# Altium PCB CRD25DA12N-FMC V2 (09-2024).PcbDoc (part 2 of 6) (continued)
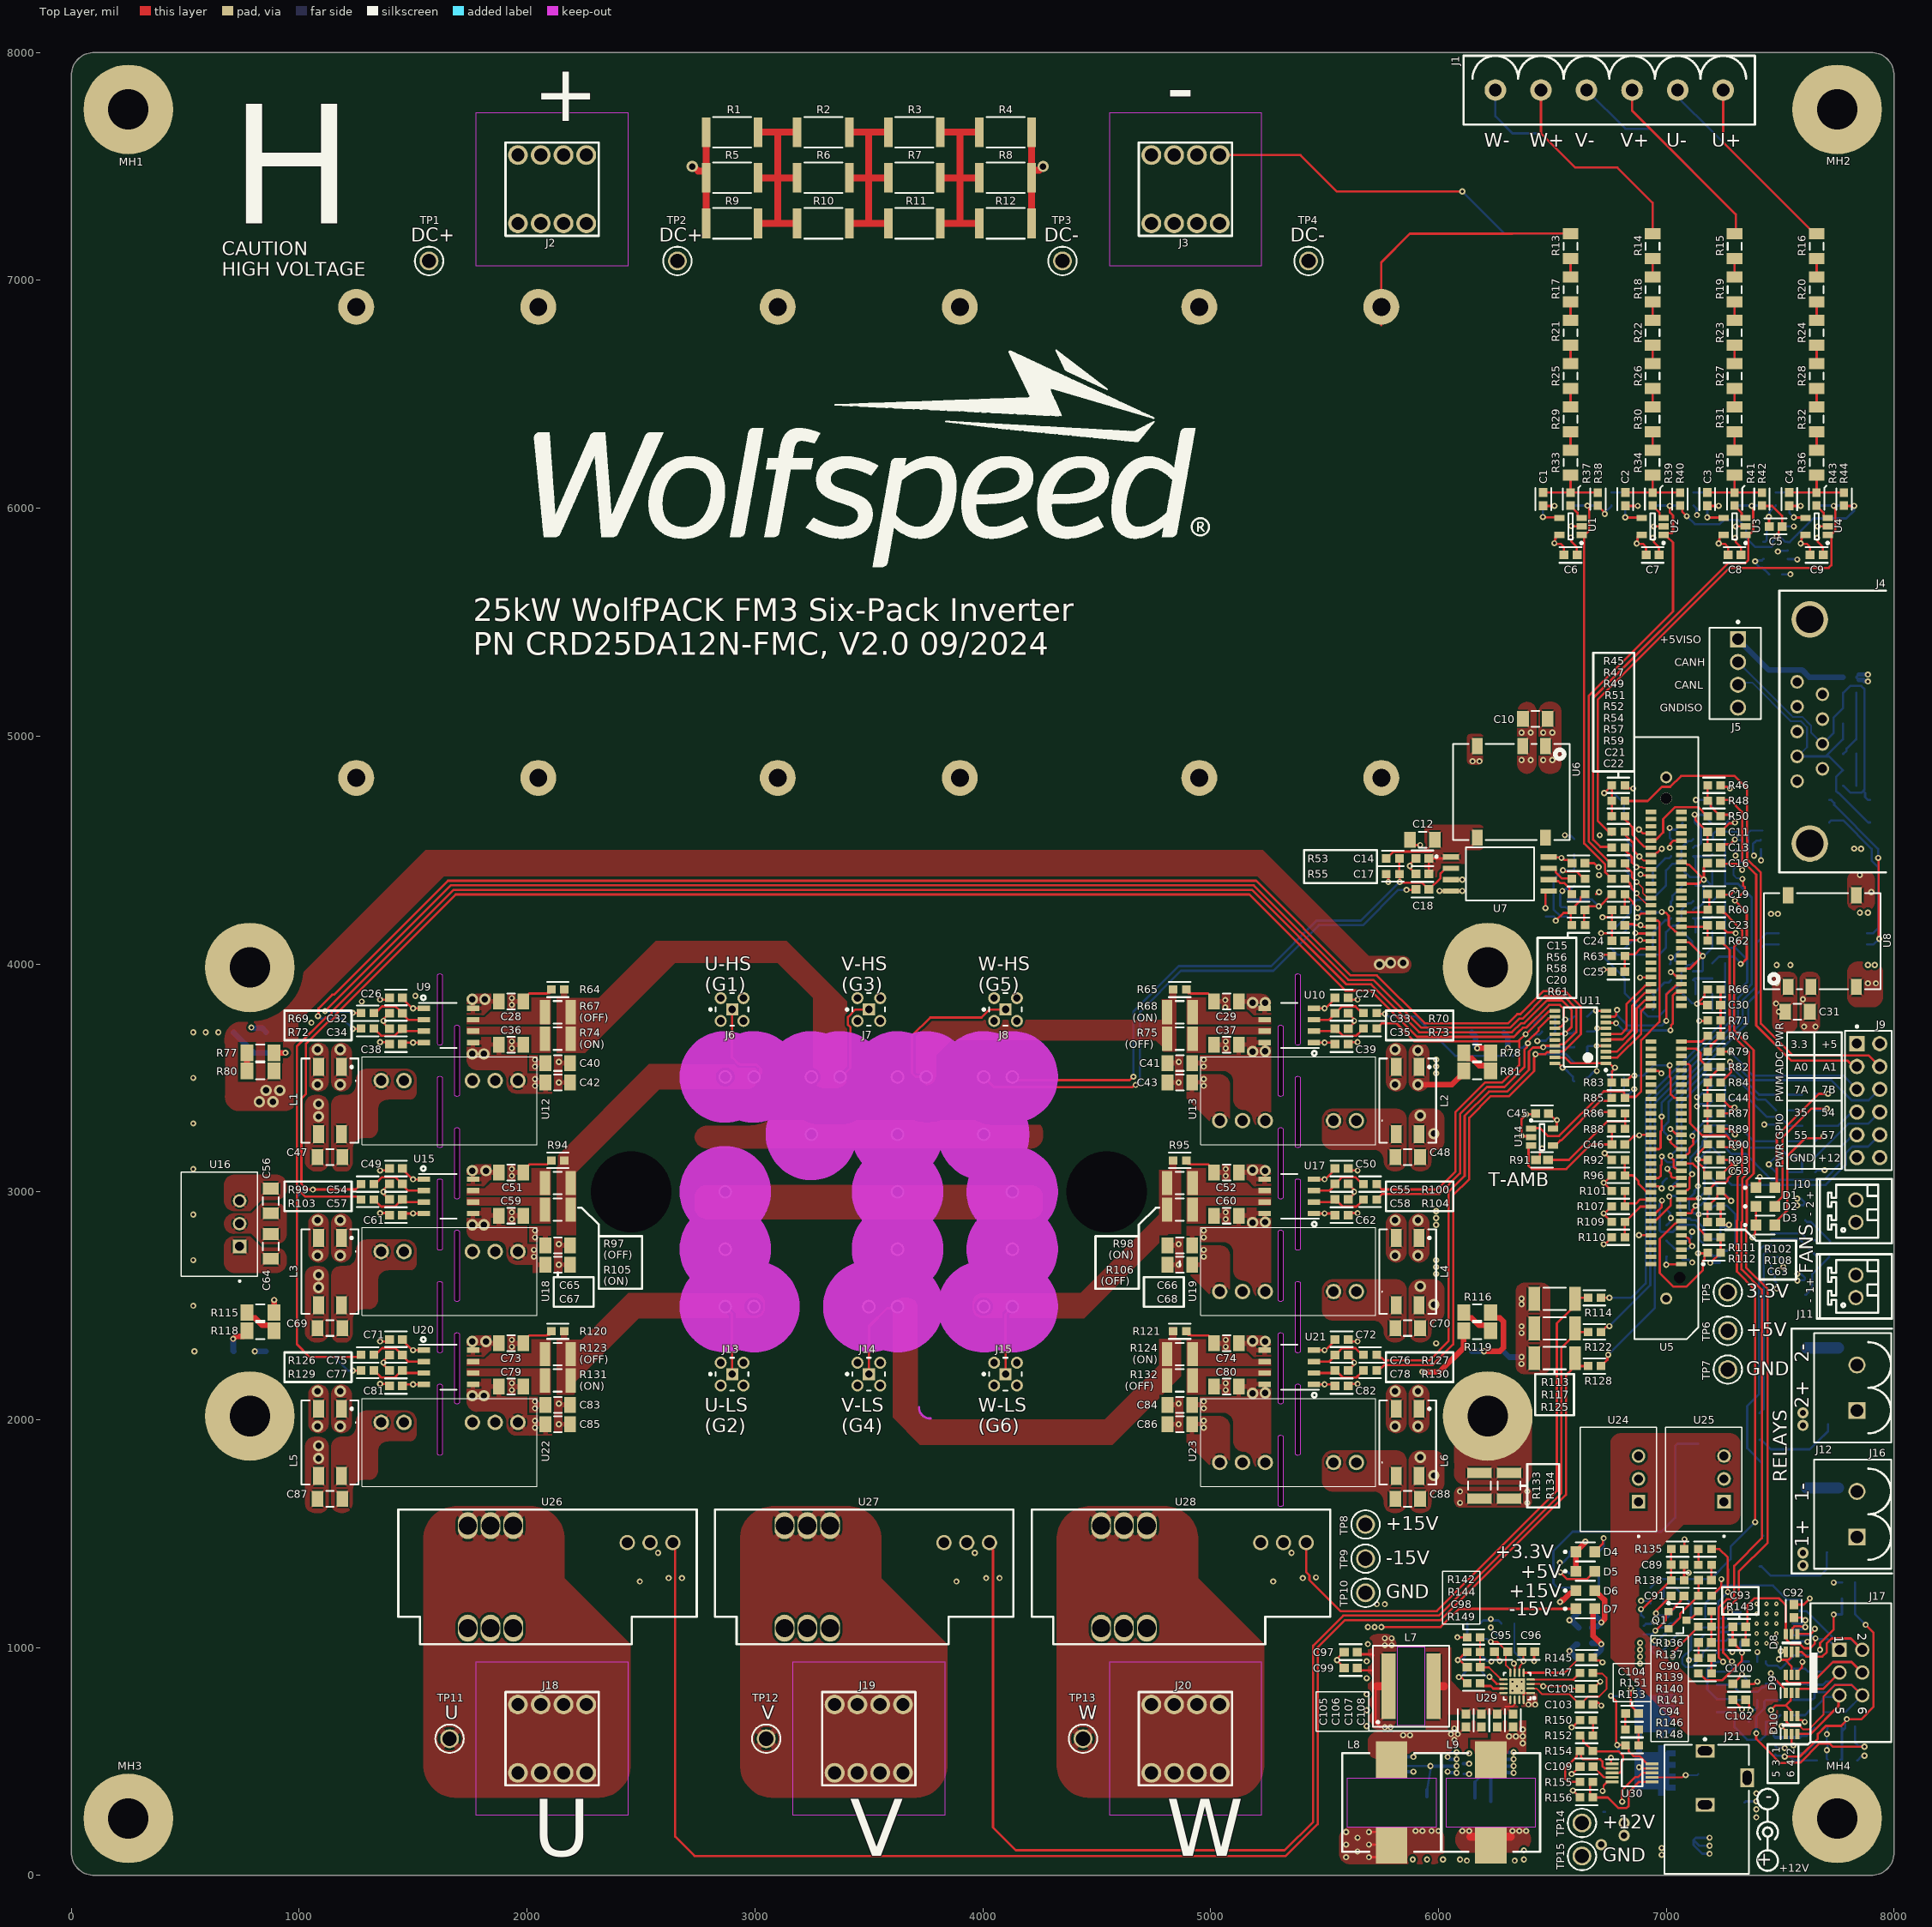
[diagram p0: Top Layer view]
## Part data (continued)
C103 C188 C191: "CAP CER 1UF 35V X7R 0603", Capacitance=1μF, Case Code (Imperial)=0603, Case Code (Metric)=1608, Dielectric=X7R, Manufacturer=TDK, Max Operating Temperature=125°C, Min Operating Temperature=-55°C, Package Quantity=4000, Ratings=AEC-Q200, Supplier Part Number 1=68AH9307, Tolerance=10%, Voltage Rating=35V, Case/Package=0603, Category="Ceramic Capacitors", ComponentLink1Description=https://4donline.ihs.com/images/VipMasterIC/IC/TDKC/TDKC-S-A0003616427/TDKC-S-A0003616427-1.pdf?hkey=52A5661711E402568146F3353EA87419&src-supplier=Farnell, ComponentLink1URL=https://4donline.ihs.com/images/VipMasterIC/IC/TDKC/TDKC-S-A0003616427/TDKC-S-A0003616427-1.pdf?hkey=52A5661711E402568146F3353EA87419&src-supplier=Farnell, ComponentLink2Description=https://datasheet.octopart.com/CGA3E1X7R1V105K080AC-TDK-datasheet-136412745.pdf?src-supplier=Element14, ComponentLink2URL=https://datasheet.octopart.com/CGA3E1X7R1V105K080AC-TDK-datasheet-136412745.pdf?src-supplier=Element14, ComponentLink3Description=https://datasheet.octopart.com/CGA3E1X7R1V105K080AC-TDK-datasheet-43366117.pdf?src-supplier=Future+Electronics, ComponentLink3URL=https://datasheet.octopart.com/CGA3E1X7R1V105K080AC-TDK-datasheet-43366117.pdf?src-supplier=Future+Electronics, ComponentLink4Description=https://product.tdk.com/info/en/catalog/datasheets/mlcc_automotive_general_en.pdf?src-supplier=Digikey, ComponentLink4URL=https://product.tdk.com/info/en/catalog/datasheets/mlcc_automotive_general_en.pdf?src-supplier=Digikey, ComponentLink5Description=https://4donline.ihs.com/images/VipMasterIC/IC/TDKC/TDKC-S-A0003616427/TDKC-S-A0003616427-1.pdf?hkey=52A5661711E402568146F3353EA87419&src-supplier=Newark, ComponentLink5URL=https://4donline.ihs.com/images/VipMasterIC/IC/TDKC/TDKC-S-A0003616427/TDKC-S-A0003616427-1.pdf?hkey=52A5661711E402568146F3353EA87419&src-supplier=Newark, ComponentLink6Description=http://product.tdk.com/capacitor/mlcc/detailed_information.php?lang=en&ref=jp&part_no=CGA3E1X7R1V105K080AC&src-supplier=Mouser, ComponentLink6URL=http://product.tdk.com/capacitor/mlcc/detailed_information.php?lang=en&ref=jp&part_no=CGA3E1X7R1V105K080AC&src-supplier=Mouser, ComponentLink7Description=http://product.tdk.com/capacitor/mlcc/class/print_detail_pdf.php?lang=en&part_no=CGA3E1X7R1V105K080AC&src-supplier=Avnet, ComponentLink7URL=http://product.tdk.com/capacitor/mlcc/class/print_detail_pdf.php?lang=en&part_no=CGA3E1X7R1V105K080AC&src-supplier=Avnet, Height=0.8mm, Length=1.6mm, Manufacturer Part Number=CGA3E1X7R1V105K080AC, Material=4241ConductorMaterial, Mount="Surface Mount", Package=0603, Packaging="Tape and Reel", Pricing 1="4000=0.042, 8000=0.04, 24000=0.039 (USD)", RoHS=Yes, RoHS Compliant=Yes, Series=CGA, Stock 1=4000, Supplier 1=Avnet, Termination=SMD/SMT, Voltage Rating (DC)=35V, Weight=7.1E-05oz, Width=0.8mm
C105 C106 C107 C108 C175 C178 C179 C186 C187 C192 C193 C195 C196 C197 C198 C199 C200 C201 C202: "CAP CER 10UF 35V X5R 0603", Capacitance=10μF, Case Code (Imperial)=0603, Case Code (Metric)=1608, Dielectric=X5R, Manufacturer=MURATA, Max Operating Temperature=85°C, Min Operating Temperature=-55°C, Supplier Part Number 1=81-GRM188R6YA106MA3D, Tolerance=20%, Voltage Rating=35V, Case/Package=0603, Category="Ceramic Capacitors", ComponentLink1Description=https://datasheet.octopart.com/GRM188R6YA106MA73D-Murata-datasheet-149523261.pdf?src-supplier=Newark, ComponentLink1URL=https://datasheet.octopart.com/GRM188R6YA106MA73D-Murata-datasheet-149523261.pdf?src-supplier=Newark, ComponentLink2Description=http://search.murata.co.jp/Ceramy/image/img/A01X/G101/ENG/GRM188R6YA106MA73-01.pdf?src-supplier=Future+Electronics, ComponentLink2URL=http://search.murata.co.jp/Ceramy/image/img/A01X/G101/ENG/GRM188R6YA106MA73-01.pdf?src-supplier=Future+Electronics, ComponentLink3Description=http://search.murata.co.jp/Ceramy/image/img/A01X/G101/ENG/GRM188R6YA106MA73-01.pdf?src-supplier=Digikey, ComponentLink3URL=http://search.murata.co.jp/Ceramy/image/img/A01X/G101/ENG/GRM188R6YA106MA73-01.pdf?src-supplier=Digikey, ComponentLink4Description=https://www.murata.com/~/media/webrenewal/support/library/catalog/products/capacitor/mlcc/c02e.ashx?la=en-us&src-supplier=Digikey, ComponentLink4URL=https://www.murata.com/~/media/webrenewal/support/library/catalog/products/capacitor/mlcc/c02e.ashx?la=en-us&src-supplier=Digikey, ComponentLink5Description=https://datasheet.octopart.com/GRM188R6YA106MA73D-Murata-datasheet-86813743.pdf?src-supplier=Future+Electronics, ComponentLink5URL=https://datasheet.octopart.com/GRM188R6YA106MA73D-Murata-datasheet-86813743.pdf?src-supplier=Future+Electronics, ComponentLink6Description=http://search.murata.co.jp/Ceramy/image/img/A01X/G101/ENG/GRM188R6YA106MA73-01.pdf?src-supplier=Mouser, ComponentLink6URL=http://search.murata.co.jp/Ceramy/image/img/A01X/G101/ENG/GRM188R6YA106MA73-01.pdf?src-supplier=Mouser, ComponentLink7Description=https://datasheet.octopart.com/GRM188R6YA106MA73D-Murata-datasheet-165579666.pdf?src-supplier=TME, ComponentLink7URL=https://datasheet.octopart.com/GRM188R6YA106MA73D-Murata-datasheet-165579666.pdf?src-supplier=TME, ComponentLink8Description=http://search.murata.co.jp/Ceramy/image/img/A01X/G101/ENG/GRM188R6YA106MA73-01.pdf?src-supplier=TTI, ComponentLink8URL=http://search.murata.co.jp/Ceramy/image/img/A01X/G101/ENG/GRM188R6YA106MA73-01.pdf?src-supplier=TTI, Height=1mm, Length=0.063inch, Manufacturer Part Number=GRM188R6YA106MA73D, Material=4241ConductorMaterial, Mount="Surface Mount", Package=0603, Packaging="Cut Tape", Pricing 1="1=0.31, 10=0.165, 50=0.165, 100=0.099, 1000=0.076, 4000=0.067, 8000=0.06, 10000=0.06, 24000=0.058, 100000=0.049 (USD)", RoHS=Yes, RoHS Compliant=Yes, Series=GRM, Stock 1=250689, Supplier 1=Mouser, Thickness=0.039inch, Voltage Rating (DC)=35V, Width=0.031inch
C110 C111 C112: "CAP FILM 65UF 5% 1.1KVDC RAD", Capacitance=65µF, Manufacturer=KEMET, Package=RADIAL, Supplier Part Number 1=399-C4AQQEW5650A3BJ-ND, Voltage=1.1kV, Category="Film Capacitors", Manufacturer Part Number=C4AQQEW5650A3BJ, Pricing 1="1=19.26000, 10=18.24800, 50=15.71360, 100=14.69980, 500=13.17910 (USD)", RoHS=Yes, RoHS Compliant=No, Stock 1=1080, Supplier 1=Digi-Key
C125 C127 C129 C134: library part CMP-06035-043171-1, "CAP CER 0.27UF 16V X7R 0603", Capacitance=0.27μF, Dielectric=X7R, Manufacturer=MURATA, Package=0603, Tolerance=10%, Voltage Rating (DC)=16V, Manufacturer Part Number=GCM188R71C274KA37D
C158 C159 C160 C162 C163 C164: library part CMP-13271-001123-1, "CAP CER 4.7UF 50V X7R 1206", Capacitance=4.7μF, Case Code (Imperial)=1206, Case Code (Metric)=3216, Dielectric=X7R, Manufacturer=SAMSUNG, Max Operating Temperature=125°C, Min Operating Temperature=-55°C, Package Quantity=1, Tolerance=10%, Voltage Rating=50V, Depth=1.6mm, Height=1.6mm, Length=3.2mm, Manufacturer Part Number=CL31B475KBHNFNE, Mount="Surface Mount", Package=1206, Packaging="Tape and Reel", Radiation Hardening=No, Thickness=0.071inch, Width=0.063inch
C168: "CAP CER 0.047UF 50V X7R 0603", Capacitance=47nF, Case Code (Imperial)=0603, Case Code (Metric)=1608, Dielectric=X7R, Manufacturer=TDK, Max Operating Temperature=125°C, Min Operating Temperature=-55°C, Package Quantity=1, Ratings=AEC-Q200, Supplier Part Number 1=80X3178, Tolerance=10%, Voltage Rating=50V, Case/Package=0603, Category="Ceramic Capacitors", ComponentLink1Description=https://datasheet.ciiva.com/24217/cga3e2x7r1h473k080aa-266154-24217548.pdf?src-supplier=Mouser, ComponentLink1URL=https://datasheet.ciiva.com/24217/cga3e2x7r1h473k080aa-266154-24217548.pdf?src-supplier=Mouser, Depth=0.8mm, Height=0.8mm, Lead Free="Lead Free", Length=1.6mm, Manufacturer Part Number=CGA3E2X7R1H473K080AA, Material=4241ConductorMaterial, Mount="Surface Mount", Package=0603, Packaging="Tape and Reel", Pricing 1="1=0.098, 25=0.063, 50=0.045, 100=0.027 (USD)", Reach SVHC Compliant=No, RoHS=Yes, RoHS Compliant=Yes, Series=CGA, Stock 1=19753, Supplier 1=Avnet, Termination=SMD/SMT, Thickness=0.035inch, Voltage Rating (DC)=50V, Weight=7.1E-05oz, Width=0.031inch
C171: "CAP CER 0.22UF 25V X7R 0603", Capacitance=220nF, Case Code (Imperial)=0603, Case Code (Metric)=1608, Dielectric=X7R, Manufacturer=MURATA, Max Operating Temperature=125°C, Min Operating Temperature=-55°C, Package Quantity=1, Ratings=AEC-Q200, Supplier Part Number 1=81-GCM188R71E224K55D, Tolerance=10%, Voltage=25V, Case/Package=0603, Category="Ceramic Capacitors", ComponentLink1Description=https://datasheet.ciiva.com/18183/getdatasheetpartid-223900-18183612.pdf?src-supplier=Verical, ComponentLink1URL=https://datasheet.ciiva.com/18183/getdatasheetpartid-223900-18183612.pdf?src-supplier=Verical, ComponentLink2Description=https://datasheet.ciiva.com/16202/product-16202362.pdf?src-supplier=Future+Electronics, ComponentLink2URL=https://datasheet.ciiva.com/16202/product-16202362.pdf?src-supplier=Future+Electronics, ComponentLink3Description=https://datasheet.ciiva.com/134/product-134757.pdf?src-supplier=Digikey, ComponentLink3URL=https://datasheet.ciiva.com/134/product-134757.pdf?src-supplier=Digikey, Construction=Flat, Depth=0.8mm, Height=0.8mm, Lead Free="Lead Free", Length=1.6mm, Manufacturer Part Number=GCM188R71E224KA55D, Material=4241ConductorMaterial, Mount="Surface Mount", Package=0603, Packaging="Tape and Reel", Pricing 1="1=0.1, 10=0.052, 50=0.052, 100=0.027, 1000=0.017, 4000=0.012, 8000=0.01, 10000=0.01, 100000=0.009 (USD)", Radiation Hardening=No, RoHS=Yes, RoHS Compliant=Yes, Series=GCM, Stock 1=1572028, Supplier 1=Mouser, Termination=SMD/SMT, Thickness=0.035inch, Voltage Rating=25V, Voltage Rating (DC)=25V, Width=0.031inch
C172 C189 C190: "CAP CER 0.1UF 50V X7R 0603", Capacitance=100nF, Case Code (Imperial)=0603, Case Code (Metric)=1608, Dielectric=X7R, Manufacturer=TDK, Max Operating Temperature=125°C, Min Operating Temperature=-55°C, Package Quantity=1, Ratings=AEC-Q200, Tolerance=10%, Voltage=50V, Case/Package=0603, Category="Ceramic Capacitors", ComponentLink1Description=https://datasheet.ciiva.com/24216/cga3e2x7r1h104k080aa-266291-24216208.pdf?src-supplier=Mouser, ComponentLink1URL=https://datasheet.ciiva.com/24216/cga3e2x7r1h104k080aa-266291-24216208.pdf?src-supplier=Mouser, ComponentLink2Description=https://datasheet.ciiva.com/15192/getdatasheetpartid-715867-15192412.pdf?src-supplier=Verical, ComponentLink2URL=https://datasheet.ciiva.com/15192/getdatasheetpartid-715867-15192412.pdf?src-supplier=Verical, ComponentLink3Description=https://datasheet.ciiva.com/23803/1936565-23803084.pdf?src-supplier=Newark, ComponentLink3URL=https://datasheet.ciiva.com/23803/1936565-23803084.pdf?src-supplier=Newark, ComponentLink4Description=https://datasheet.ciiva.com/22725/1735392-22725642.pdf?src-supplier=Element14, ComponentLink4URL=https://datasheet.ciiva.com/22725/1735392-22725642.pdf?src-supplier=Element14, ComponentLink5Description=https://datasheet.ciiva.com/46385/1735392-46385708.pdf?src-supplier=Element14, ComponentLink5URL=https://datasheet.ciiva.com/46385/1735392-46385708.pdf?src-supplier=Element14, ComponentLink6Description=https://datasheet.ciiva.com/16500/mlccspec-automotive-general-midvoltage-en-16500693.pdf?src-supplier=Future+Electronics, ComponentLink6URL=https://datasheet.ciiva.com/16500/mlccspec-automotive-general-midvoltage-en-16500693.pdf?src-supplier=Future+Electronics, Depth=0.8mm, Height=0.8mm, Lead Free=5697LeadFree, Length=1.6mm, Manufacturer Part Number=CGA3E2X7R1H104K080AA, Material=4241ConductorMaterial, Mount="Surface Mount", Package=0603, Packaging="Tape and Reel", Pricing 1="4000=0.01068, 8000=0.01044, 16000=0.0102, 24000=0.00996, 32000=0.00972 (USD)", Radiation Hardening=No, Reach SVHC Compliant=No, RoHS=Yes, RoHS Compliant=Yes, Series=CGA, Stock 1=168000, Supplier 1=Avnet, Supplier Part Number 1=CGA3E2X7R1H104K080AA, Termination=SMD/SMT, Thickness=0.035inch, Voltage Rating=50V, Voltage Rating (DC)=50V, Weight=7.1E-05oz, Width=0.031inch
C173 C176: "CAP CER 47PF 100V C0G/NP0 0603", Capacitance=47pF, Case Code (Imperial)=0603, Case Code (Metric)=1608, Dielectric=C0G, Dielectric Material=Ceramic, Manufacturer=KEMET, Max Operating Temperature=125°C, Min Operating Temperature=-55°C, Package Quantity=4000, Supplier Part Number 1=8015369, Temperature Coefficient=30ppm/°C, Tolerance=5%, Voltage=100V, Category="Ceramic Capacitors", ComponentLink1Description=https://datasheet.ciiva.com/28668/1789732-28668693.pdf?src-supplier=Element14, ComponentLink1URL=https://datasheet.ciiva.com/28668/1789732-28668693.pdf?src-supplier=Element14, Construction=Flat, Depth=0.8mm, Dissipation Factor=0.1%, Height=0.8mm, Lead Free="Lead Free", Lead Pitch=0.7mm, Length=1.6mm, Manufacturer Part Number=C0603C470J1GACTU, Mount="Surface Mount,PCB", Number of Pins=2, Package=0603, Packaging="Tape and Reel", Pricing 1="100=0.04300, 1000=0.03200, 2000=0.02200, 4000=0.02100, 8000=0.02000 (USD)", Radiation Hardening=No, Reach SVHC Compliant=Yes, RoHS=Yes, RoHS Compliant=Yes, Series=C, Stock 1=1, Supplier 1=Rs, Termination=SMD/SMT, Thickness=0.034inch, Voltage Rating=100V, Voltage Rating (DC)=100V, Width=0.031inch
C185 C194: "CAP CER 680PF 50V C0G/NP0 0603", Capacitance=680pF, Case Code (Imperial)=0603, Case Code (Metric)=1608, Dielectric=C0G, Dielectric Material=Ceramic, Manufacturer=KEMET, Max Operating Temperature=125°C, Min Operating Temperature=-55°C, Package Quantity=4000, Supplier Part Number 1=80-C0603C681J5G, Temperature Coefficient=30ppm/°C, Tolerance=5%, Voltage=50V, Case/Package=0603, Category="Ceramic Capacitors", ComponentLink1Description=https://datasheet.ciiva.com/144/docfinderpartnumber-c0603c681j5gactu-144808.pdf?src-supplier=Digikey, ComponentLink1URL=https://datasheet.ciiva.com/144/docfinderpartnumber-c0603c681j5gactu-144808.pdf?src-supplier=Digikey, ComponentLink2Description=https://datasheet.ciiva.com/7823/40889-7823834.pdf?src-supplier=Element14, ComponentLink2URL=https://datasheet.ciiva.com/7823/40889-7823834.pdf?src-supplier=Element14, ComponentLink3Description=https://datasheet.ciiva.com/7823/40889-7823833.pdf?src-supplier=Element14, ComponentLink3URL=https://datasheet.ciiva.com/7823/40889-7823833.pdf?src-supplier=Element14, ComponentLink4Description=https://datasheet.ciiva.com/28535/1372242-28535863.pdf?src-supplier=Element14, ComponentLink4URL=https://datasheet.ciiva.com/28535/1372242-28535863.pdf?src-supplier=Element14, ComponentLink5Description=https://datasheet.ciiva.com/14600/70095383-14600026.pdf?src-supplier=Allied+Electronics, ComponentLink5URL=https://datasheet.ciiva.com/14600/70095383-14600026.pdf?src-supplier=Allied+Electronics, Construction=Flat, Depth=0.8mm, Dissipation Factor=0.1%, Height=0.8mm, Lead Free=5697LeadFree, Lead Pitch=0.7mm, Length=1.6mm, Manufacturer Part Number=C0603C681J5GACTU, Material=4241ConductorMaterial, Mount="Surface Mount,PCB", Number of Pins=2, Package=0603, Packaging="Tape and Reel", Pricing 1="1=0.1, 10=0.042, 50=0.042, 100=0.025, 1000=0.02, 4000=0.015, 8000=0.013, 10000=0.013, 100000=0.009 (USD)", Radiation Hardening=No, Reach SVHC Compliant=No, RoHS=Yes, RoHS Compliant=Yes, Series=C, Stock 1=42665, Supplier 1=Mouser, Termination=SMD/SMT, Thickness=0.034inch, Voltage Rating=50V, Voltage Rating (AC)=50V, Voltage Rating (DC)=50V, Width=0.8mm
D1: "LED RED DIFFUSED 0805 SMD", Case Code (Imperial)=0805, Case Code (Metric)=2012, Color=RED, Forward Current=20mA, Forward Voltage=2V, Illumination Color=Red, Manufacturer="VISUAL COMMUNICATIONS", Max Operating Temperature=85°C, Min Operating Temperature=-40°C, Package Quantity=1, Power Rating=100mW, Reverse Voltage=5V, Supplier Part Number 1=45X6246, Category=LEDs, ComponentLink1Description=http://www.mouser.com/ds/2/423/CMD1721ver1-1064576.pdf?src-supplier=Mouser, ComponentLink1URL=http://www.mouser.com/ds/2/423/CMD1721ver1-1064576.pdf?src-supplier=Mouser, ComponentLink2Description=https://www.alliedelec.com/m/d/ea8f758becbd32522d2612194452bcae.pdf?src-supplier=Allied+Electronics, ComponentLink2URL=https://www.alliedelec.com/m/d/ea8f758becbd32522d2612194452bcae.pdf?src-supplier=Allied+Electronics, ComponentLink3Description=http://www.onlinecomponents.com/productFiles/mf-CM/2cmd17-21seriessmtleds0805packagesize.pdf?src-supplier=Onlinecomponents.com, ComponentLink3URL=http://www.onlinecomponents.com/productFiles/mf-CM/2cmd17-21seriessmtleds0805packagesize.pdf?src-supplier=Onlinecomponents.com, ComponentLink4Description=https://vcclite.com/wp-content/uploads/wpallimport/files/files/CMD1721Seriesver3.pdf?src-supplier=Digi-Key, ComponentLink4URL=https://vcclite.com/wp-content/uploads/wpallimport/files/files/CMD1721Seriesver3.pdf?src-supplier=Digi-Key, Height=1.1mm, Lead Free="Lead Free", Length=2mm, Lens Color=Red, Lens Style=Diffused,Tinted,Rectangular,Colored, Luminous Intensity=6mcd, Manufacturer Part Number=CMD17-21VRD/TR8, Mount="Surface Mount", Number of LEDs=1, Number of Pins=2, Package=0805, Packaging="Tape and Reel", Pricing 1="1=0.55000, 25=0.37500, 50=0.31600, 100=0.25700, 250=0.25600, 500=0.25400, 1000=0.21500 (USD)", Reverse Voltage (DC)=5V, RoHS=Yes, RoHS Compliant=Yes, Stock 1=1791, Supplier 1=Newark, Test Current=20mA, Viewing Angle=140°, Wavelength=640nm, Width=1.25mm
D2: "LED YELLOW CLEAR 0805 SMD", Case Code (Imperial)=0805, Case Code (Metric)=2012, Color=Yellow, Forward Current=30mA, Forward Voltage=2V, Lens Color=Colorless, Manufacturer=LITE-ON, Max Operating Temperature=85°C, Max Power Dissipation=75mW, Min Operating Temperature=-55°C, Package Quantity=1, Reverse Voltage=5V, Supplier Part Number 1=6920950, Test Current=20mA, Category=LEDs, ComponentLink1Description=https://datasheet.ciiva.com/19466/2075639-19466196.pdf?src-supplier=Jameco, ComponentLink1URL=https://datasheet.ciiva.com/19466/2075639-19466196.pdf?src-supplier=Jameco, ComponentLink2Description=https://datasheet.ciiva.com/12403/lite-on-ltst-c171kskt-190118-12403721.pdf?src-supplier=Mouser, ComponentLink2URL=https://datasheet.ciiva.com/12403/lite-on-ltst-c171kskt-190118-12403721.pdf?src-supplier=Mouser, ComponentLink3Description=https://datasheet.ciiva.com/16200/lite-on20ltst-c171kskt-16200102.pdf?src-supplier=Future+Electronics, ComponentLink3URL=https://datasheet.ciiva.com/16200/lite-on20ltst-c171kskt-16200102.pdf?src-supplier=Future+Electronics, ComponentLink4Description=https://datasheet.ciiva.com/15118/getdatasheetpartid-233685-15118145.pdf?src-supplier=Verical, ComponentLink4URL=https://datasheet.ciiva.com/15118/getdatasheetpartid-233685-15118145.pdf?src-supplier=Verical, ComponentLink5Description=https://datasheet.ciiva.com/11774/0900766b80dc029a-11774587.pdf?src-supplier=Rs, ComponentLink5URL=https://datasheet.ciiva.com/11774/0900766b80dc029a-11774587.pdf?src-supplier=Rs, ComponentLink6Description=https://datasheet.ciiva.com/2110/s-110-ltst-c171kskt-2110148.pdf?src-supplier=Digi-Key, ComponentLink6URL=https://datasheet.ciiva.com/2110/s-110-ltst-c171kskt-2110148.pdf?src-supplier=Digi-Key, ComponentLink7Description=https://datasheet.ciiva.com/2110/s-110-ltst-c171kskt-2110147.pdf?src-supplier=Digi-Key, ComponentLink7URL=https://datasheet.ciiva.com/2110/s-110-ltst-c171kskt-2110147.pdf?src-supplier=Digi-Key, ComponentLink8Description=https://datasheet.ciiva.com/2110/s-110-ltst-c171kskt-2110149.pdf?src-supplier=Digi-Key, ComponentLink8URL=https://datasheet.ciiva.com/2110/s-110-ltst-c171kskt-2110149.pdf?src-supplier=Digi-Key, Depth=1.25mm, Dominant Wavelength=587nm, Height=0.8mm, Illumination Color=Yellow, Lead Free="Lead Free", Length=2mm, Lens Style=Diffused,Colorless,Rectangular,Clear, Lens Transparency=Clear, Luminous Intensity=50mcd, Manufacturer Part Number=LTST-C171KSKT, Mount="Surface Mount", Number of Elements=1, Number of LEDs=1, Number of Pins=2, Package=0805, Packaging="Tape and Reel", Power Dissipation=75mW, Power Rating=75mW, Radiation Hardening=No, RoHS=Yes, RoHS Compliant=Yes, Series="CHIPLED 0805", Stock 1=850, Supplier 1=Rs, Viewing Angle=130°, Wavelength=588nm, Width=1.25mm
D3 D4 D5 D6 D7: library part CMP-22017-000007-1, "LED GREEN CLEAR CHIP SMD", Case Code (Imperial)=0805, Case Code (Metric)=2012, Color=GREEN, Forward Current=30mA, Forward Voltage=2.1V, Illumination Color=Green, Lens Color=Colorless, Manufacturer=LITE-ON, Max Operating Temperature=85°C, Min Operating Temperature=-55°C, Package Quantity=1, Power Dissipation=100mW, Reverse Voltage=5V, Test Current=10mA, Case/Package=0805, Depth=1.25mm, Dominant Wavelength=569nm, Height=0.8mm, Lead Free="Lead Free", Length=2mm, Lens Style=Diffused, Lens Transparency=Clear, Luminous Intensity=12mcd, Manufacturer Part Number=LTST-C171GKT, Mount="Surface Mount", Number of Elements=1, Number of LEDs=1, Number of Pins=2, Package=0805, Packaging="Tape and Reel", Power Rating=100mW, Radiation Hardening=No, Viewing Angle=130°, Wavelength=585nm, Width=1.25mm
D8 D9 D10: "DIODE ARRAY SCHOTTKY 40V SOT363", Manufacturer="MICRO COMMERCIAL", Manufacturer Print=MICRO, Manufacturer_Name="Micro Commercial Components (MCC)", Package=SOT-363, Class=DIO, Height=1.2mm, Manufacturer Part Number=BAS40DW-04-TP, Manufacturer_Part_Number=BAS40DW-04-TP
D11 D15: "LED PURPLE CLEAR 1206 SMD", Color=PURPLE, Manufacturer=Kingbright, Manufacturer Print=KINGBRIGHT, Package=1206, Supplier Part Number 1=604-APTR3216-VFX, Category=LEDs, Manufacturer Part Number=APTR3216-VFX, Pricing 1="1=0.84000, 10=0.55000, 50=0.55000, 100=0.36100, 1000=0.28500, 10000=0.25200 (USD)", RoHS=Yes, RoHS Compliant=Yes, Stock 1=19947, Supplier 1=Mouser
D12 D16: "LED PURPLE CLEAR 1206 SMD", Color=PURPLE, Manufacturer=KINGBRIGHT, Package=1206, Supplier Part Number 1=604-APTR3216-VFX, Category=LEDs, Manufacturer Part Number=APTR3216-VFX, Pricing 1="1=0.84000, 10=0.55000, 50=0.55000, 100=0.36100, 1000=0.28500, 10000=0.25200 (USD)", RoHS=Yes, RoHS Compliant=Yes, Stock 1=19947, Supplier 1=Mouser
D13 D14 D17 D18: "DIODE SCHOTTKY 60V 2A SOD123FL", Average Rectified Current=2A, Forward Voltage=700mV, Manufacturer=MICRO, Max Operating Temperature=125°C, Max Power Dissipation=1.68W, Max Repetitive Reverse Voltage (Vrrm)=60V, Max Reverse Current=500uA, Max Surge Current=50A, Min Operating Temperature=-65°C, Package=SOD-123F, Package Quantity=1, Supplier Part Number 1=SMD26PL-TPMSCT-ND, Category="Rectifier Diodes", ComponentLink1Description=https://datasheet.ciiva.com/4717/smd22pl-smd210plsod-123fl-27814-4717414.pdf?src-supplier=Mouser, ComponentLink1URL=https://datasheet.ciiva.com/4717/smd22pl-smd210plsod-123fl-27814-4717414.pdf?src-supplier=Mouser, ComponentLink2Description=https://datasheet.ciiva.com/17444/smd22pl-smd210plsod-123fl-17444944.pdf?src-supplier=Future+Electronics, ComponentLink2URL=https://datasheet.ciiva.com/17444/smd22pl-smd210plsod-123fl-17444944.pdf?src-supplier=Future+Electronics, ComponentLink3Description=https://datasheet.ciiva.com/917/smd22pl-smd210plsod-123fl-917242.pdf?src-supplier=Digi-Key, ComponentLink3URL=https://datasheet.ciiva.com/917/smd22pl-smd210plsod-123fl-917242.pdf?src-supplier=Digi-Key, ComponentLink4Description=https://datasheet.ciiva.com/917/smd22pl-smd210plsod-123fl-917243.pdf?src-supplier=Digi-Key, ComponentLink4URL=https://datasheet.ciiva.com/917/smd22pl-smd210plsod-123fl-917243.pdf?src-supplier=Digi-Key, ComponentLink5Description=https://datasheet.ciiva.com/917/smd22pl-smd210plsod-123fl-917244.pdf?src-supplier=Digi-Key, ComponentLink5URL=https://datasheet.ciiva.com/917/smd22pl-smd210plsod-123fl-917244.pdf?src-supplier=Digi-Key, Lead Free="Lead Free", Manufacturer Part Number=SMD26PL-TP, Max Reverse Voltage (DC)=60V, Mount="Surface Mount", Number of Pins=2, Packaging="Tape and Reel", Pricing 1="1=0.40000, 10=0.30200, 100=0.18790, 500=0.12854, 1000=0.09888 (USD)", RoHS=Yes, RoHS Compliant=Yes, Stock 1=317348, Supplier 1=Digi-Key
D19 D20: "DIODE SCHOTTKY 60V 10A CFP15B", Case/Package=TO-277, Manufacturer=NEXPERIA, Category=Uncategorized, Manufacturer Part Number=PMEG060V100EPE-QZ, Package=TO-277, Pricing 1="5000=0.30592, 10000=0.29765, 20000=0.28938, 30000=0.28111, 40000=0.27284, 50000=0.26458, 500000=0.25631 (USD)", RoHS=No, Stock 1=5000, Supplier 1=Avnet, Supplier Part Number 1=PMEG060V100EPE-QZ
HS1: library part "LA 6 150 12", "HEATSINK EXTRUSION 150MM", Manufacturer="FISCHER ELEKTRONIK", Natural Thermal Resistance=0.175°C/W, Package=N/A, Power Consumption=2.9W, Supplier Part Number 1=42M1958, Category=Uncategorized, ComponentLink1Description=https://datasheet.ciiva.com/14098/fmfischer-lufteraggregat-la6-en-14098709.pdf?src-supplier=Distrelec, ComponentLink1URL=https://datasheet.ciiva.com/14098/fmfischer-lufteraggregat-la6-en-14098709.pdf?src-supplier=Distrelec, ComponentLink2Description=https://datasheet.ciiva.com/1609/17634-1609751.pdf?src-supplier=Element14, ComponentLink2URL=https://datasheet.ciiva.com/1609/17634-1609751.pdf?src-supplier=Element14, Length=150mm, Manufacturer Part Number="LA6/150 12V", Material=Aluminium, Pricing 1="1=128.57000, 10=109.67000, 25=105.17000, 50=100.26000, 100=91.40000, 250=79.15000 (USD)", Reach SVHC Compliant=Yes, RoHS=Yes, Stock 1=135, Supplier 1=Newark, Weight=66g
J1: "TERM BLOCK HDR 6POS VERT 5.08MM", Color=Green,Grey, Current=12A, Flammability Rating="UL94 V-0", Housing Color=Green, Manufacturer="PHOENIX CONTACT", Package=N/A, Package Quantity=50, Supplier Part Number 1=1896240, Voltage=300V, Voltage Rating=250V, Approvals=UL,CSA,VDE,cULus,CB,EAC, Category="Terminal Blocks", ComponentLink1Description=https://datasheet.ciiva.com/16096/1755778-16096327.pdf?src-supplier=Onlinecomponents.com, ComponentLink1URL=https://datasheet.ciiva.com/16096/1755778-16096327.pdf?src-supplier=Onlinecomponents.com, ComponentLink2Description=https://datasheet.ciiva.com/15197/getdatasheetpartid-176346-15197318.pdf?src-supplier=Verical, ComponentLink2URL=https://datasheet.ciiva.com/15197/getdatasheetpartid-176346-15197318.pdf?src-supplier=Verical, ComponentLink3Description=https://datasheet.ciiva.com/796/1755778-796714.pdf?src-supplier=Digi-Key, ComponentLink3URL=https://datasheet.ciiva.com/796/1755778-796714.pdf?src-supplier=Digi-Key, ComponentLink4Description=https://datasheet.ciiva.com/29209/568561-da-01-en-grundgehaeuse-1755778-100-st-29209867.pdf?src-supplier=Conrad, ComponentLink4URL=https://datasheet.ciiva.com/29209/568561-da-01-en-grundgehaeuse-1755778-100-st-29209867.pdf?src-supplier=Conrad, ComponentLink5Description=https://datasheet.ciiva.com/18409/70054655-18409468.pdf?src-supplier=Allied+Electronics, ComponentLink5URL=https://datasheet.ciiva.com/18409/70054655-18409468.pdf?src-supplier=Allied+Electronics, Connector Type=Plug, Contact Material=Tin, Contact Plating=Tin, Current Rating=12A, Depth=8.6mm, Gender=Male, Height=15.9mm, Housing Material=Polybutylene, Lead Free="Lead Free", Length=32.48mm, Manufacturer Part Number=1755778, Manufacturer Print="PHOENIX CONTACT", Max Current Rating=12A, Mount="Through Hole", Number of Contacts=6, Number of Levels=1, Number of Poles=6, Number of Positions=6, Number of Positions Per Level=6, Number of Rows=1, Orientation=Straight, Packaging=Bulk, Pitch=5.08mm, RoHS=Yes, RoHS Compliant=Yes, Series=MSTBVA, Stock 1=400, Supplier 1=Rs, Termination=Solder, Voltage Rating (DC)=250V, Weight=5.467464oz, Width=32.48mm
J2 J3 J18 J19 J20: "TERM REDCUBE M4 8PIN PCB", Current Rating=80A, Manufacturer="WURTH ELEKTRONIK", Manufacturer Print=WURTH, Max Operating Temperature=135°C, Min Operating Temperature=-40°C, Package=N/A, Package Quantity=250, Supplier Part Number 1=1224952, Category=Terminals, ComponentLink1Description=https://datasheet.ciiva.com/8043/1736661-8043578.pdf?src-supplier=Element14, ComponentLink1URL=https://datasheet.ciiva.com/8043/1736661-8043578.pdf?src-supplier=Element14, ComponentLink2Description=https://datasheet.ciiva.com/13538/powerelements20with20220row20pin20plate-13538549.pdf?src-supplier=Mouser, ComponentLink2URL=https://datasheet.ciiva.com/13538/powerelements20with20220row20pin20plate-13538549.pdf?src-supplier=Mouser, ComponentLink3Description=https://datasheet.ciiva.com/23814/606286-23814304.pdf?src-supplier=Newark, ComponentLink3URL=https://datasheet.ciiva.com/23814/606286-23814304.pdf?src-supplier=Newark, ComponentLink4Description=https://datasheet.ciiva.com/847/bushes-847081.pdf?src-supplier=Digi-Key, ComponentLink4URL=https://datasheet.ciiva.com/847/bushes-847081.pdf?src-supplier=Digi-Key, Contact Material=Copper, Contact Plating=Tin, Height=10.5mm, Insulation=Non-Insulated, Length=9mm, Manufacturer Part Number=7460307, Mount="Through Hole", Number of Contacts=8, Number of Pins=8, Number of Rows=2, Packaging=Bulk, RoHS=Yes, RoHS Compliant=Yes, Series="REDCUBE WP-BUTR", Stock 1=1875, Supplier 1=Rs, Termination=Press-Fit, Thread Size=M4, Width=9mm
J4: "CONN D-SUB PLUG 9POS R/A SLDR", Color=Black, Current Rating=5A, Manufacturer=AMPHENOL, Max Operating Temperature=155°C, Max Supply Voltage (AC)=250V, Min Operating Temperature=-55°C, Package=N/A, Supplier Part Number 1=70145033, Category=Uncategorized, ComponentLink1Description=https://datasheet.ciiva.com/16443/l717sde09pa4ch4rc309-16443356.pdf?src-supplier=Future+Electronics, ComponentLink1URL=https://datasheet.ciiva.com/16443/l717sde09pa4ch4rc309-16443356.pdf?src-supplier=Future+Electronics, ComponentLink2Description=https://datasheet.ciiva.com/12662/l717sde09pa4ch4rc309-12662371.pdf?src-supplier=Mouser, ComponentLink2URL=https://datasheet.ciiva.com/12662/l717sde09pa4ch4rc309-12662371.pdf?src-supplier=Mouser, ComponentLink3Description=https://datasheet.ciiva.com/16914/70145027-16914009.pdf?src-supplier=Allied+Electronics, ComponentLink3URL=https://datasheet.ciiva.com/16914/70145027-16914009.pdf?src-supplier=Allied+Electronics, ComponentLink4Description=https://datasheet.ciiva.com/16748/sd-hdh808-16748518.pdf?, ComponentLink4URL=https://datasheet.ciiva.com/16748/sd-hdh808-16748518.pdf?, Connector Type=D-Sub,Plug, Contact Material=Brass, Contact Plating=Gold, Contact Type=Signal, Depth=20.3mm, Housing Material=Thermoplastic, Lead Free="Lead Free", Length=30.81mm, Manufacturer Part Number=L717SDE09PA4CH4RC309, Mount="Through Hole", Number of Contacts=9, Number of Ports=1, Number of Positions=9, Number of Rows=2, Number of Terminals/Pins=9, Orientation="Right Angle", Packaging=Tray, Pitch=2.74mm, RoHS=Yes, RoHS Compliant=Yes, Series=SD, Supplier 1="Allied Electronics", Termination=Solder, Voltage Rating=250V
J5: library part CMP-2000-05419-1, "CONN HEADER VERT 4POS 2.54MM", Color=White, Current, Rating="5 /  / A", Flammability Rating=UL94V-0, Manufacturer=TE, Package=N/A, Temperature, Operating="-55to+105 /  / degC", Voltage, Rating="250 /  / V", Agency Approvals=CSA,UL, Angle=Straight, Brand/Series=MTA-100Series, Color, Housing=White, Connector Type=MTA-100, Contact Centerline Spacing="0.100 /  / in.", Contact Mating Area Plating=Tin, Contact Plating=Tin, Contact Shape=Square, Contact Termination Area Plating=Tin, Datasheet URL=https://datasheet.ciiva.com/16286/eng-ds-82056-mta-0608-16286228.pdf, Datasheet Version=Dec-14, Length, Overall="0.4 /  / \"", Length, Pin="0.14 /  / \"", Length, Terminal Post="0.14 /  / in.", Manufacturer Part Number=640456-4, Manufacturer URL=http://www.te.com/, Material, Contact=CopperAlloy, Material, Housing=Polyester, Mount Angle=Vertical, Mounting Hole Size="0.04 /  / \"", Mounting Type=PCMount, Number of Contacts=4, Number of Positions=4, Number of Rows=1, Pin Spacing="0.1 /  / \"", Primary Type=InterconnectSystem, Size, Post="0.025 /  / in.", Special Features=Pinstrip, Standards=RoHSCompliant,ELVCompliant,UL94V-0, Termination=Solder, Type=PCBPlug
J6 J7 J8 J13 J14 J15: "CONN MMCX JACK STR 50 OHM PCB", Manufacturer=MOLEX, Manufacturer Part Number=73415-1471, Max Frequency=6GHz, Operating Frequency=N/A, Package Quantity=500, Supplier Part Number 1=70364031, Body Material=Brass, Body Plating=Gold, Category="RF / Coaxial Connectors", Connector Type=PCB,MMCX,Coaxial, Contact Material=Copper, Contact Plating=Gold, Depth=3.51mm, Gender=Female, Halogen Free="Low Halogen", Impedance=50R, Insulation Material=Teflon, Lead Free="Lead Free", Length=3.51mm, Manufacturer Print=MOLEX, Mount="Through Hole", Orientation=Straight, Package=N/A, Packaging=Bulk, Plating=Gold, Pricing 1="1=2.94000, 5=2.79000, 100=2.65000 (USD)", Radiation Hardening=No, RoHS=Yes, RoHS Compliant=Yes, Series=73415, Stock 1=18, Supplier 1="Allied Electronics", Termination=Solder
J9: "CONN HEADER VERT 12POS 2.54MM", Color=Black, Flammability Rating="UL94 V-0", Manufacturer="WURTH ELEKTRONIK", Manufacturer Print=WURTH, Max Operating Temperature=105°C, Min Operating Temperature=-40°C, Package=N/A, Supplier Part Number 1=732-5297-ND, Voltage Rating=250V, Category="Headers and Wire Housings", ComponentLink1Description=http://www.farnell.com/datasheets/1442180.pdf?src-supplier=Farnell, ComponentLink1URL=http://www.farnell.com/datasheets/1442180.pdf?src-supplier=Farnell, ComponentLink2Description=http://www.farnell.com/datasheets/1442180.pdf?src-supplier=Newark, ComponentLink2URL=http://www.farnell.com/datasheets/1442180.pdf?src-supplier=Newark, ComponentLink3Description=http://www.farnell.com/datasheets/1442180.pdf?src-supplier=Element14, ComponentLink3URL=http://www.farnell.com/datasheets/1442180.pdf?src-supplier=Element14, ComponentLink4Description=https://katalog.we-online.de/em/datasheet/6130xx21121.pdf?src-supplier=Digi-Key, ComponentLink4URL=https://katalog.we-online.de/em/datasheet/6130xx21121.pdf?src-supplier=Digi-Key, Connector Type=Header, Contact Finish - Mating=GOLD, Contact Material="Copper Alloy,Copper", Contact Mating Length=0.236inch, Contact Plating=Gold, Contact Shape=Square, Contact Type="Male Pin", Fastening Type=Pull, Gender=Male, Insulation Color=Black, Insulation Material=Nylon, Manufacturer Part Number=61301221121, Mount="Through Hole", Number of Contacts=12, Number of Positions=12, Number of Rows=2, Packaging=Bulk, Pitch=0.1inch, Pricing 1="1=0.83000, 10=0.70700, 25=0.58920, 50=0.49100, 100=0.44700, 1000=0.40600 (USD)", RoHS=Yes, RoHS Compliant=Yes, Row Spacing=0.1inch, Series=WR-PHD, Stock 1=5429, Supplier 1=Digi-Key, Termination=Solder
J10 J11: "TERM BLOCK HDR 2POS VERT 2.5MM", Manufacturer="PHOENIX CONTACT", Package=N/A, Manufacturer Part Number=1881558